# Altium PCB AX7103-2021-0629.PcbDoc (part 1 of 7) (continued)
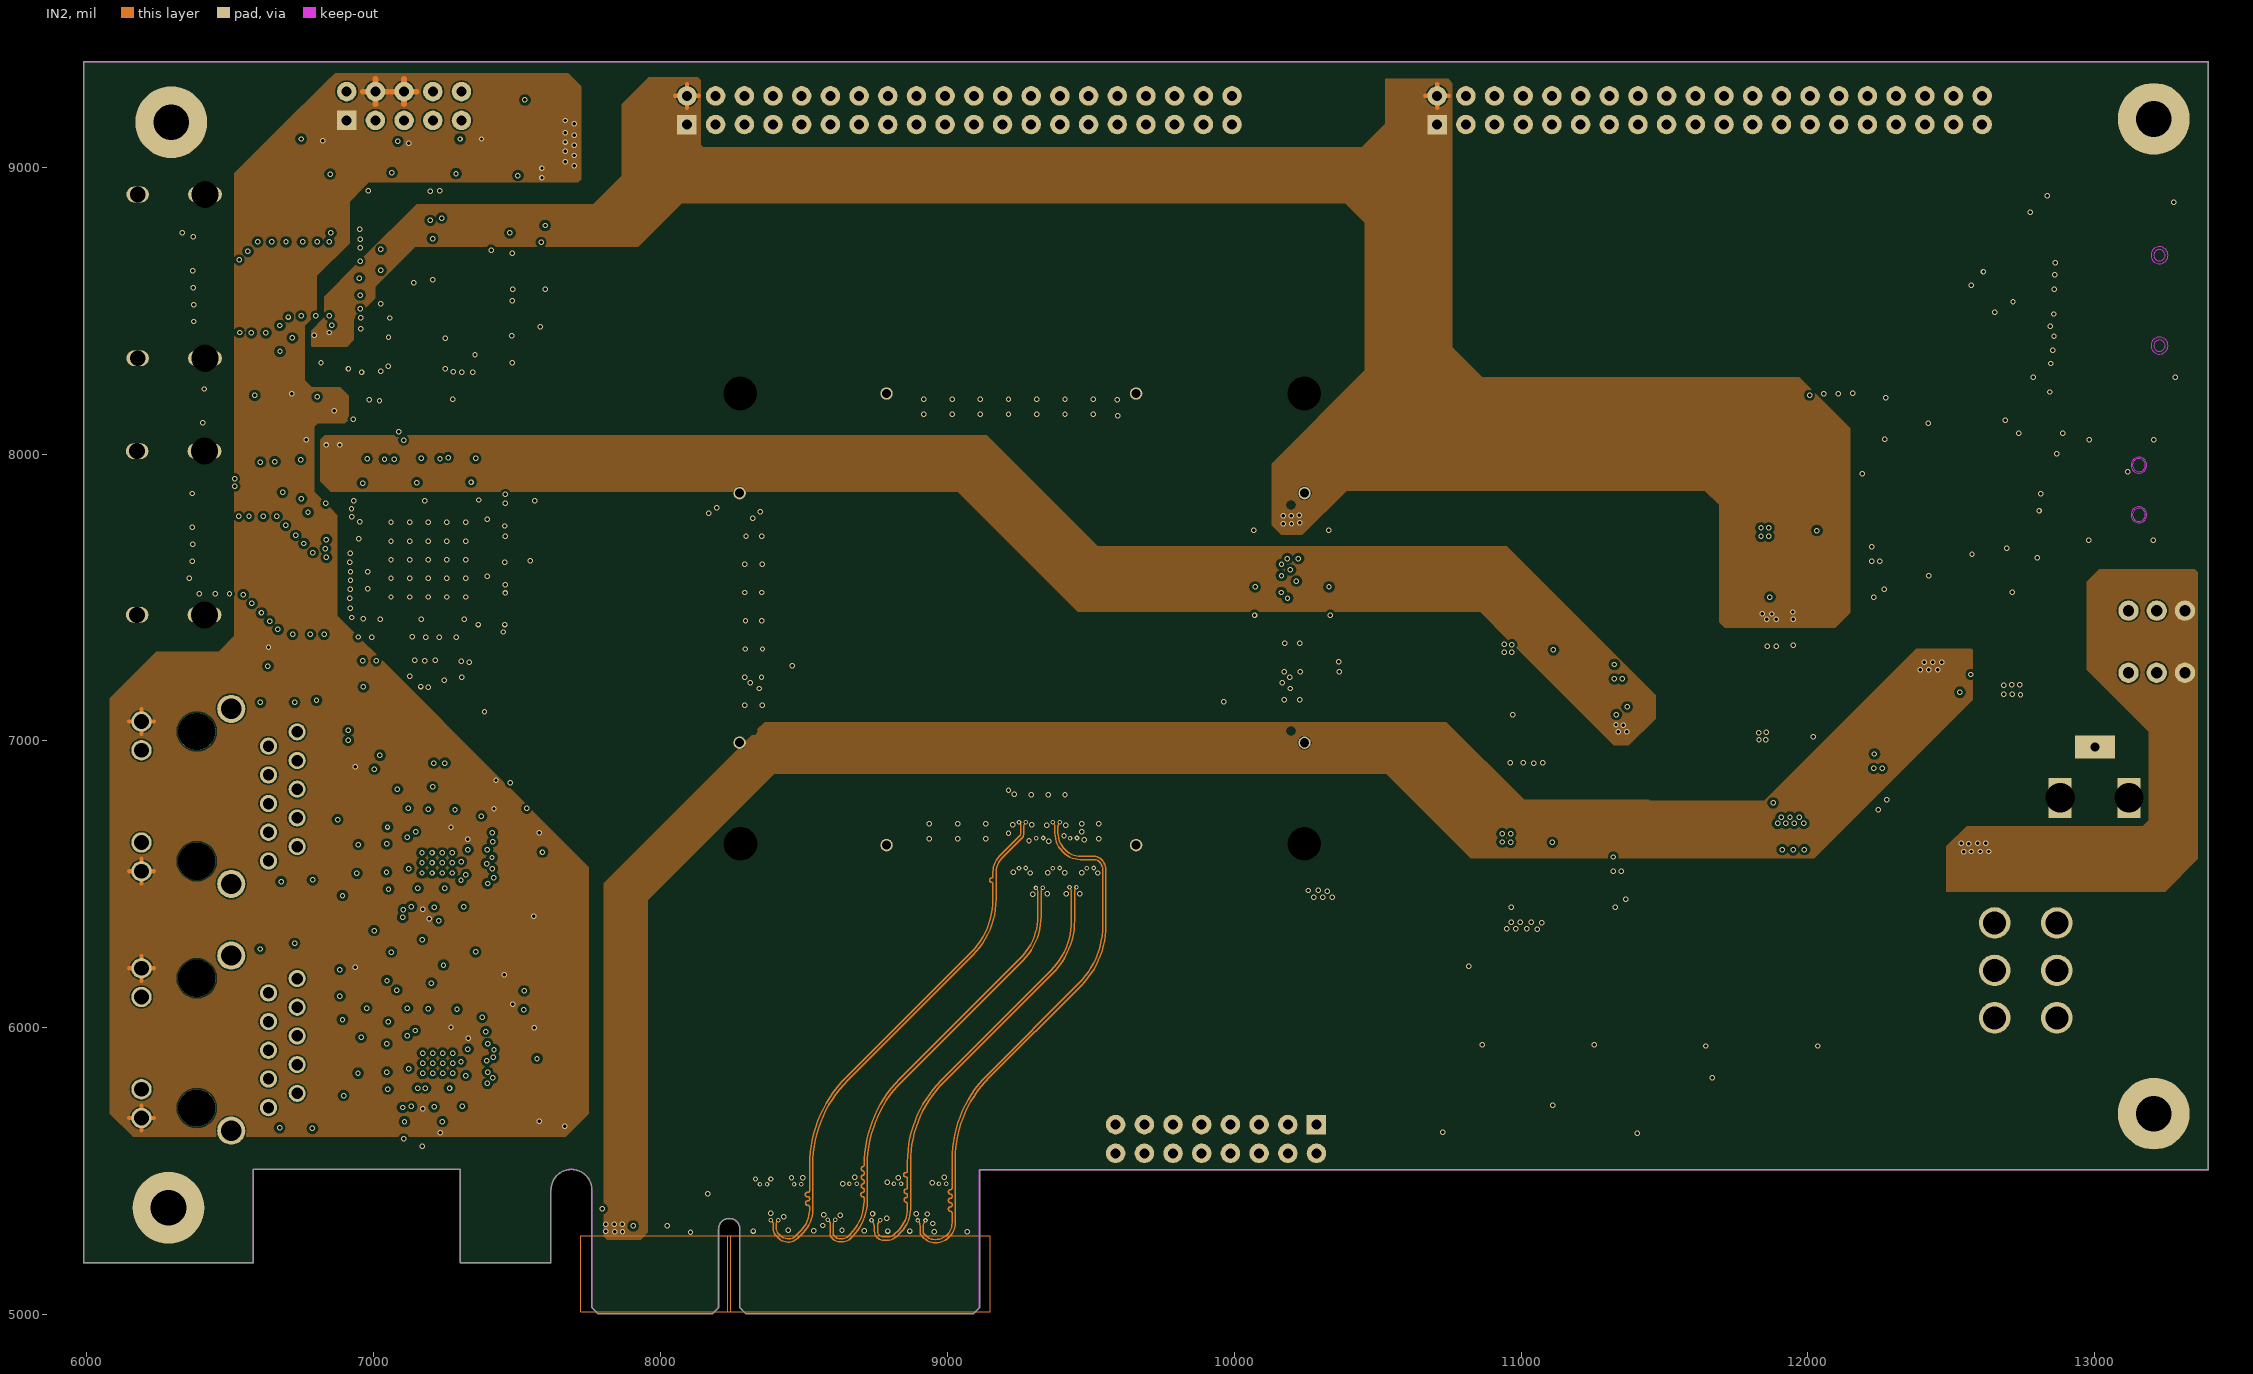
[diagram p4: IN2]
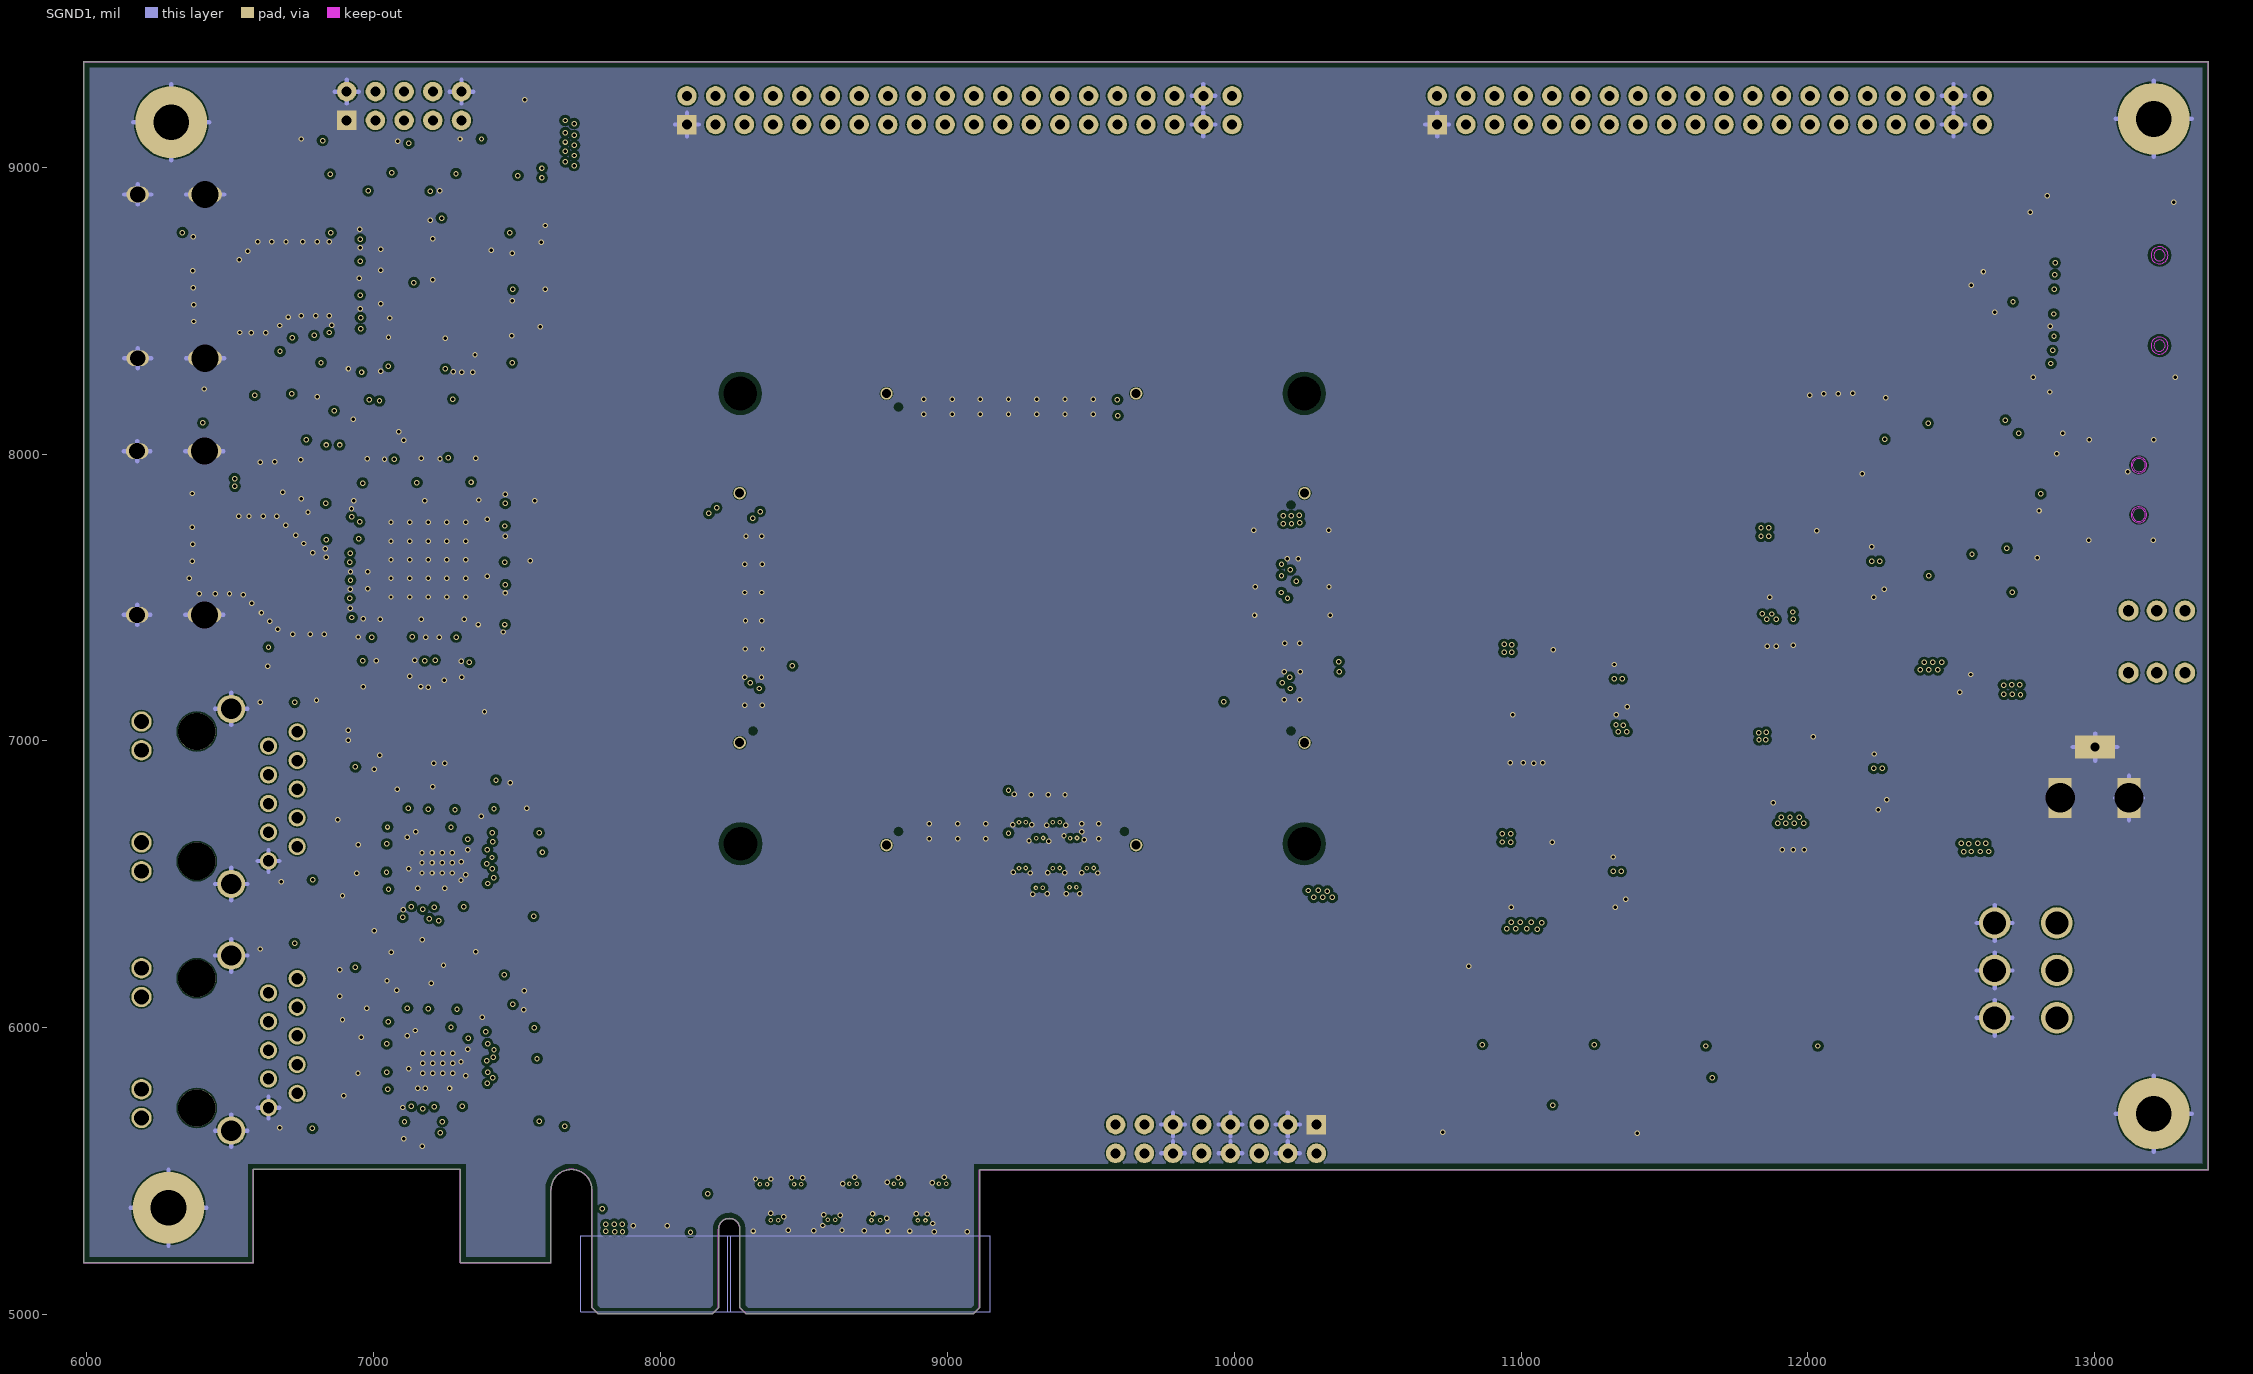
[diagram p5: SGND1]

## Layer stack, top to bottom
Top Solder: solder mask 0.4, Solder Resist, Dk 3.5
TOP: signal copper 1.2
Dielectric 1: core 8, FR-4, Dk 4.5
SGND: signal copper 1.2
Dielectric2: core 8, FR-4, Dk 4.5
IN1: signal copper 1.2
Dielectric3: core 8, FR-4, Dk 4.5
IN2: signal copper 1.2
Dielectric4: core 8, FR-4, Dk 4.5
SGND1: signal copper 1.2
Dielectric5: core 8, FR-4, Dk 4.5
BOTTOM: signal copper 1.2
Bottom Solder: solder mask 0.4, Solder Resist, Dk 3.5

## Board outline
5989.54,5181.85 5990.04,5181.35 6581.04,5181.35 6581.54,5181.85 6581.54,5506.35 7302.54,5506.35 7302.54,5181.85 7303.04,5181.35 7618.04,5181.35 7618.54,5181.85 7618.54,5434.85 cw(c7690.04,5434.85) 7690.04,5506.35 cw(c7690.04,5434.85) 7761.54,5434.85 7761.54,5024.85 7761.69,5024.5 7781.69,5004.5 7782.04,5004.35 8182.54,5004.35 8182.89,5004.5 8202.89,5024.5 8203.04,5024.85 8203.04,5298.85 cw(c8239.54,5298.85) 8239.54,5335.35 8240.54,5335.35 cw(c8240.54,5298.85) 8277.04,5298.85 8277.04,5024.85 8277.19,5024.5 8297.19,5004.5 8297.54,5004.35 9092.04,5004.35 9092.39,5004.5 9112.39,5024.5 9112.54,5024.85 9112.54,5505.35 13395.55,5505.35 13396.05,5505.85 13396.05,9367.67 13395.55,9368.17 5990.04,9368.17 5989.54,9367.67

## Design rules (kind name [scope] priority, off if disabled: settings)
Clearance [All] p1: gap=10
PlaneConnect [All] p1: planeconnectstyle=Direct reliefexpansion=20 reliefentries=4 reliefconductorwidth=10 reliefairgap=10
PolygonConnect [All] p1: connectstyle=Direct reliefconductorwidth=10 reliefentries=4 polygonreliefangle="90 Angle" airgapwidth=10
RoutingVias [All] p1: holewidth=28 width=50 viastyle="Through Hole" minholewidth=28 minwidth=50 maxholewidth=28 maxwidth=50
SolderMaskExpansion [All] p1: expansion=4
Width [All] p1: maxlimit=10 minlimit=10 preferedwidth=10 impedancedriven=TRUE minimp=140.230000 maximp=140.230000 favimp=140.230000
29 further rules are at their usual default settings.

## Components (designator, comment, footprint, x,y, rotation, side; value= is the part's Value field where it differs from the comment)
C61 "CAP NP_C0805_10UF" C0805#1 7565.04,8846.85 r180 bottom
C62 "C_1_C0402_0.1UF" C0402#1 7277.8,8238.46 r270 bottom
C63 "C_1_C0402_0.1UF" C0402#1 7197.8,8864.46 r90 bottom
C64 "C_1_C0402_0.1UF" C0402#1 7025.04,8241.85 r270 bottom
C65 "C_1_C0402_0.1UF" C0402#1 7052.3,8358.96 r270 bottom
C66 "C_1_C0402_0.1UF" C0402#1 7237.8,8769.46 r90 bottom
C67 "C_1_C0402_0.1UF" C0402#1 7250.8,8356.96 r270 bottom
C68 "C_1_C0402_0.1UF" C0402#1 7427.8,8739.46 r0 bottom
C69 "C_1_C0402_0.1UF" C0402#1 7427.8,8774.46 r0 bottom
C70 "C_1_C0402_0.1UF" C0402#1 7428.3,8345.96 r0 bottom
C71 "C_1_C0402_0.1UF" C0402#1 7007.8,8434.46 r0 bottom
C72 "C_1_C0402_0.1UF" C0402#1 7007.8,8749.46 r180 bottom
C73 "C_1_C0402_0.1UF" C0402#1 7007.8,8474.46 r180 bottom
C74 "C_1_C0402_0.1UF" C0402#1 7007.8,8554.46 r180 bottom
C75 "C_1_C0402_0.1UF" C0402#1 7007.8,8674.46 r180 bottom
C76 "CAP NP_C0805_10UF" C0805#1 7174.04,8655.85 r180 bottom
C77 "C_1_C0402_0.1UF" C0402#1 7532.8,8574.46 r180 bottom
C78 "CAP NP_C0402_0.1UF" C0402#2 12157.04,7949.85 r270 top
C79 "CAP NP_C0805_10UF" C0805#1 12645.04,8585.85 r0 bottom
C80 "CAP NP_C0402_0.1UF" C0402#1 12670.04,8530.85 r0 bottom
C81 "CAP NP_C0402_1000PF" C0402#2 10290.04,5932.85 r180 top
C82 "CAP NP_C0402_1000PF" C0402#2 9850.04,5930.85 r180 top
C84 "CAP NP_C0402_1000PF" C0402#2 10070.04,5930.85 r0 top
C109 "CAP NP_C0402_0.1UF" C0402#1 8461.04,5396.85 r270 bottom
C110 "CAP NP_C0402_0.1UF" C0402#1 8494.04,5396.85 r270 bottom
C111 "CAP NP_C0402_0.1UF" C0402#1 8344.04,5396.85 r270 bottom
C112 "CAP NP_C0402_0.1UF" C0402#1 8377.04,5396.85 r270 bottom
C113 "CAP NP_C0402_0.1UF" C0402#1 8842.04,5398.85 r270 bottom
C114 "CAP NP_C0402_0.1UF" C0402#1 8809.04,5398.85 r270 bottom
C115 "CAP NP_C0402_0.1UF" C0402#1 8687.04,5398.85 r270 bottom
C116 "CAP NP_C0402_0.1UF" C0402#1 8654.04,5398.85 r270 bottom
C129 "CAP NP_C0603_1UF" C0603 12804.25,8002.18 r180 bottom
C130 "CAP NP_C0805_10UF" C0805#1 12809.25,8074.18 r180 bottom
C133 "CAP NP_C0805_10UF/25V" C0805#2 12607.04,7171.85 r180 top
C134 "C_1_C0402_0.1UF/25V" C0402#2 12622.04,7231.85 r180 top
C135 "CAP NP_C0402_0.01UF" C0402#2 11711.6,7596.62 r270 top
C136 "CAP NP_C0805_10UF/25V" C0805#2 11936.6,7731.62 r0 top
C137 "CAP NP_C0402_0.1UF" C0402#2 12131.6,7676.62 r0 top
C138 "CAP NP_C0805_10UF" C0805#2 11716.6,7376.62 r270 top
C139 "CAP NP_C0805_10UF" C0805#2 11791.6,7376.62 r270 top
C140 "C_1_C0402_0.1UF" C0402#2 11976.6,7381.62 r270 top
C141 "C_1_C0402_0.1UF" C0402#2 11936.6,7381.62 r270 top
C142 "C_1_C0402_0.1UF" C0402#2 11896.6,7381.62 r270 top
C143 "C_1_C0402_0.1UF" C0402#2 11856.6,7381.62 r270 top
C144 "CAP NP_C0402_33NF" C0402#2 12131.6,7556.62 r0 top
C145 "CAP NP_C0402_0.01UF" C0402#2 11709.6,6874.62 r270 top
C146 "CAP NP_C0805_10UF/25V" C0805#2 11939.6,7012.62 r0 top
C147 "CAP NP_C0805_10UF" C0805#2 11734.6,6669.62 r270 top
C148 "CAP NP_C0805_10UF" C0805#2 11809.6,6669.62 r270 top
C149 "C_1_C0402_0.1UF" C0402#2 11989.6,6664.62 r270 top
C150 "C_1_C0402_0.1UF" C0402#2 11949.6,6664.62 r270 top
C151 "C_1_C0402_0.1UF" C0402#2 11909.6,6664.62 r270 top
C152 "C_1_C0402_0.1UF" C0402#2 11869.6,6664.62 r270 top
C153 "CAP NP_C0402_0.1UF" C0402#2 12139.6,6954.62 r0 top
C154 "CAP NP_C0402_33NF" C0402#2 12139.6,6834.62 r0 top
C155 "CAP NP_C0402_0.1UF" C0402#1 8999.04,5398.85 r270 bottom
C156 "CAP NP_C0402_0.1UF" C0402#1 8966.04,5398.85 r270 bottom
C157 "C_1_C0402_0.1UF" C0402#1 6730.8,7875.96 r180 bottom
C158 "C_1_C0402_0.1UF" C0402#1 6962.3,7615.96 r180 bottom
C159 "C_1_C0402_0.1UF" C0402#1 6961.8,7498.96 r180 bottom
C160 "C_1_C0402_0.1UF" C0402#1 6961.8,7459.46 r180 bottom
C161 "C_1_C0402_0.1UF" C0402#1 6961.3,7654.96 r180 bottom
C162 "C_1_C0402_0.1UF" C0402#1 6963.54,7559.35 r180 bottom
C163 "C_1_C0402_0.1UF" C0402#1 6994.04,7405.85 r270 bottom
C164 "C_1_C0402_0.1UF" C0402#1 7411.54,7404.85 r0 bottom
C165 "C_1_C0402_0.1UF" C0402#1 7149.04,7856.85 r90 bottom
C166 "C_1_C0402_0.1UF" C0402#1 7286.54,7406.85 r270 bottom
C167 "C_1_C0402_0.1UF" C0402#1 7412.54,7746.35 r0 bottom
C168 "C_1_C0402_0.1UF" C0402#1 7415.04,7544.35 r0 bottom
C169 "C_1_C0402_0.1UF" C0402#1 7337.04,7858.35 r90 bottom
C170 "C_1_C0402_0.1UF" C0402#1 6962.04,7852.85 r90 bottom
C171 "C_1_C0402_0.1UF" C0402#1 7135.54,7406.85 r270 bottom
C172 "C_1_C0402_0.1UF" C0402#1 7504.54,7828.35 r180 bottom
C173 "C_1_C0402_0.1UF" C0402#1 7164.04,7234.35 r90 bottom
C174 "C_1_C0402_0.1UF" C0402#1 7067.54,8031.35 r270 bottom
C175 "C_1_C0402_0.1UF" C0402#1 6964.54,7235.85 r90 bottom
C176 "C_1_C0402_0.1UF" C0402#1 7259.54,8030.85 r270 bottom
C177 "C_1_C0402_0.1UF" C0402#1 7205.04,7233.35 r90 bottom
C178 "C_1_C0402_0.1UF" C0402#1 7502.04,7624.35 r180 bottom
C179 "C_1_C0402_0.1UF" C0402#1 6790.04,7825.85 r0 bottom
C180 "CAP NP_C0402_18PF" C0402#2 7290.04,7249.85 r0 top
C181 "CAP NP_C0402_18PF" C0402#2 7215.54,7249.35 r180 top
C182 "CAP NP_C0805_10UF" C0805#1 6681.04,7293.85 r90 bottom
C183 "CAP NP_C0805_10UF" C0805#1 6742.04,7938.35 r180 bottom
C184 "CAP NP_C0805_10UF" C0805#1 6958.54,8077.85 r180 bottom
C185 "CAP NP_C0805_10UF" C0805#1 6802.04,7229.35 r90 bottom
C186 "CAP NP_C0402_18PF" C0402#2 7185.04,6799.85 r0 top
C187 "CAP NP_C0402_18PF" C0402#2 7110.04,6799.85 r180 top
C188 "CAP_3_C0402_0.1UF" C0402#1 6705.04,6491.85 r270 bottom
C189 "CAP_3_C0402_0.1UF" C0402#1 6640.04,7116.85 r270 bottom
C190 "CAP_3_C0402_0.1UF" C0402#1 6865.04,7001.85 r180 bottom
C191 "CAP_3_C0402_0.1UF" C0402#1 6865.04,7036.85 r180 bottom
C192 "CAP NP_C0805_22UF" C0805#1 7190.04,6687.85 r90 bottom
C193 "CAP NP_C0402_0.1UF" C0402#1 7268.04,6654.85 r90 bottom
C194 "CAP NP_C0402_0.1UF" C0402#1 7303.04,6638.85 r90 bottom
C195 "CAP NP_C0402_0.1UF" C0402#1 7170.04,6363.85 r90 bottom
C196 "CAP_3_C0402_0.1UF" C0402#1 6705.04,5631.85 r270 bottom
C197 "CAP NP_C0805_22UF" C0805#1 6970.04,6863.85 r180 bottom
C198 "CAP NP_C0805_22UF" C0805#1 6970.04,6723.85 r0 bottom
C199 "CAP_3_C0402_0.1UF" C0402#1 6865.04,6141.85 r180 bottom
C200 "CAP_3_C0402_0.1UF" C0402#1 6640.04,6256.85 r270 bottom
C201 "CAP_3_C0402_0.1UF" C0402#1 6865.04,6176.85 r180 bottom
C202 "CAP NP_C0805_22UF" C0805#1 6970.04,6166.85 r180 bottom
C203 "CAP NP_C0805_22UF" C0805#1 6970.04,6026.85 r0 bottom
C204 "CAP NP_C0805_22UF" C0805#1 7184.04,5990.85 r90 bottom
C205 "CAP NP_C0402_0.1UF" C0402#1 7170.04,5666.85 r90 bottom
C206 "CAP NP_C0402_0.1UF" C0402#1 7260.04,5956.85 r90 bottom
C207 "CAP NP_C0402_0.1UF" C0402#1 7105.04,6523.85 r180 bottom
C208 "CAP NP_C0402_0.1UF" C0402#1 7100.04,6698.85 r180 bottom
C209 "CAP NP_C0402_0.1UF" C0402#1 7105.04,5826.85 r180 bottom
C210 "CAP NP_C0805_22UF" C0805#1 7445.04,6813.85 r180 bottom
C211 "CAP NP_C0805_22UF" C0805#1 6970.04,6458.85 r0 bottom
C213 "CAP NP_C0805_22UF" C0805#1 7247.04,6837.85 r270 bottom
C214 "CAP NP_C0402_0.1UF" C0402#1 7100.04,6001.85 r180 bottom
C215 "CAP NP_C0805_22UF" C0805#1 6970.04,5761.85 r0 bottom
C216 "CAP NP_C0805_22UF" C0805#1 7248.04,6140.85 r270 bottom
C217 "CAP NP_C0402_0.1UF" C0402#1 7304.04,5945.85 r90 bottom
C218 "CAP NP_C0805_22UF" C0805#1 7446.04,6130.85 r180 bottom
C219 "CAP NP_C0402_18PF" C0402#2 7183.04,6100.85 r0 top
C220 "CAP NP_C0402_18PF" C0402#2 7108.04,6100.85 r180 top
C223 "CAP NP_C0805_10UF" C0805#2 10819.6,6966.62 r270 top
C224 "CAP NP_C0805_10UF" C0805#2 10894.6,6966.62 r270 top
C225 "CAP NP_C0805_10UF/25V" C0805#2 11039.6,7321.62 r0 top
C226 "C_1_C0402_0.1UF" C0402#2 10999.6,6971.62 r270 top
C227 "C_1_C0402_0.1UF" C0402#2 10959.6,6971.62 r270 top
C228 "C_1_C0402_0.1UF" C0402#2 11039.6,6971.62 r270 top
C229 "C_1_C0402_0.1UF" C0402#2 11079.6,6971.62 r270 top
C230 "CAP NP_C0402_0.01UF" C0402#2 10814.6,7186.62 r270 top
C231 "CAP NP_C0402_0.1UF" C0402#2 11234.6,7266.62 r0 top
C232 "CAP NP_C0402_33NF" C0402#2 11234.6,7146.62 r0 top
C233 "CAP NP_C0805_10UF" C0805#2 10815.6,6295.62 r270 top
C234 "CAP NP_C0805_10UF" C0805#2 10890.6,6295.62 r270 top
C235 "CAP NP_C0805_10UF/25V" C0805#2 11035.6,6650.62 r0 top
C236 "C_1_C0402_0.1UF" C0402#2 11035.6,6300.62 r270 top
C237 "C_1_C0402_0.1UF" C0402#2 11075.6,6300.62 r270 top
C238 "C_1_C0402_0.1UF" C0402#2 10995.6,6300.62 r270 top
C239 "C_1_C0402_0.1UF" C0402#2 10955.6,6300.62 r270 top
C240 "CAP NP_C0402_0.1UF" C0402#2 11230.6,6595.62 r0 top
C241 "CAP NP_C0402_0.01UF" C0402#2 10810.6,6515.62 r270 top
C242 "CAP NP_C0402_0.1UF" C0402#1 7215.04,6468.85 r270 bottom
C243 "CAP NP_C0402_33NF" C0402#2 11230.6,6475.62 r0 top
C244 "CAP NP_C0402_0.1UF" C0402#1 7125.04,5771.85 r270 bottom
C245 "CAP NP_C0402_0.1UF" C0402#1 6995.04,6538.85 r0 bottom
C246 "CAP NP_C0402_0.1UF" C0402#1 7125.04,6468.85 r270 bottom
C247 "CAP NP_C0402_0.1UF" C0402#1 7295.04,6468.85 r270 bottom
C248 "CAP NP_C0402_0.1UF" C0402#1 7328.04,6737.85 r180 bottom
C249 "CAP NP_C0402_0.1UF" C0402#1 7350.04,6578.85 r0 bottom
C250 "CAP NP_C0402_0.1UF" C0402#1 7350.04,6503.85 r0 bottom
C251 "CAP NP_C0402_0.1UF" C0402#1 6995.04,6638.85 r0 bottom
C252 "CAP NP_C0402_0.01UF" C0402#1 7145.04,6813.85 r270 bottom
C253 "CAP NP_C0402_0.1UF" C0402#1 7180.04,6813.85 r270 bottom
C259 "CAP NP_C0402_0.1UF" C0402#1 6995.04,5941.85 r0 bottom
C260 "CAP NP_C0402_0.1UF" C0402#1 6995.04,5841.85 r0 bottom
C261 "CAP NP_C0402_0.1UF" C0402#1 7180.04,6116.85 r270 bottom
C262 "CAP NP_C0402_0.01UF" C0402#1 7145.04,6116.85 r270 bottom
C263 "CAP NP_C0402_0.1UF" C0402#1 7215.04,5771.85 r270 bottom
C264 "CAP NP_C0402_0.1UF" C0402#1 7295.04,5771.85 r270 bottom
C265 "CAP NP_C0402_0.1UF" C0402#1 7350.04,5881.85 r0 bottom
C266 "CAP NP_C0402_0.1UF" C0402#1 7350.04,5806.85 r0 bottom
C267 "CAP NP_C0402_0.1UF" C0402#1 7332.04,6036.85 r180 bottom
CN1 "AJ243_0_CN1-DCJACK_AJ243-3-3C" CN1-DCJACK 13114.25,6837.17 r90 top
CON1 "CON40X2_0_0_AXK680337YG_AXK6803" AXK680337YG 10198.31,7428.95 r270 top
CON2 "CON40X2_0_1_AXK680337YG_AXK6803" AXK680337YG 9223.4,8163.99 r0 top
CON3 "CON40X2_0_2_AXK680337YG_AXK6803" AXK680337YG 8323.4,7428.99 r90 top
CON4 "CON40X2_0_3_AXK680337YG_AXK6803" AXK680337YG 9223.41,6684.05 r180 top
D1 "SBL1645CT/TO_0_SOT23_BAT54S" SOT23 6785.04,9015.85 r180 bottom
D2 "SBL1645CT/TO_0_SOT23_BAT54S" SOT23 7122.04,9015.85 r180 bottom
D3 "SBL1645CT/TO_0_SOT23_BAT54S" SOT23 7339.04,9012.85 r180 bottom
D4 "SBL1645CT/TO_0_SOT23_BAT54S" SOT23 7565.04,9147.85 r180 bottom
D23 "BZX84C33/SOT_0_DO-214AC_B340A" DO-214AC 12634.04,6752.85 r180 top
D24 "BZX84C33/SOT_0_DO-214AC_B340A" DO-214AC 12641.04,6561.85 r180 top
D25 "BZX84C33/SOT_0_DO-214AC_B340A" DO-214AC 12565.04,7327.85 r0 top
F1 "FUSE_FUSE_1812_2A" FUSE_1812 12872.04,7226.85 r180 top
F2 "FUSE/SM_L0603_SMD0603P014TF-33" L0603 6770.8,8447.46 r0 bottom
J3 "GE_RJ45_2_GE_RJ45_HR911130A" GE_RJ45 6371.53,6806.89 r180 top
J4 "GE_RJ45_2_GE_RJ45_HR911130A" GE_RJ45 6371.53,5946.89 r180 top
J7 "MICRO SD_2_MICRO_SD_MICRO SD" MICRO_SD 13069.15,8569.65 r90 top
J9 "HEADER 5X2_JTAG-10_HEADER 5X2" JTAG-10 7106.68,9213.48 r0 top
J10 "USB_B_3_MINIUSBB_MINI_USB" MINIUSBB 13147.06,7874.98 r180 top
J11 "HEADER 20X2/M_IDC-40J_HEADER 20" IDC-40J 11657.7,9198.82 r0 top
J12 "HDMI CONNECTOR_0_HDMI_A_TYPE_HD" HDMI_A_TYPE 6248.36,8619.71 r0 top
J13 "HEADER 20X2/M_IDC-40J_HEADER 20" IDC-40J 9042.7,9198.82 r0 top
J14 "39-30-1060_2_CON_MOL_5569_6P_39" CON_MOL_5569_6P 12954.3,6244.85 r0 top
J15 "HDMI CONNECTOR_0_HDMI_A_TYPE__1" HDMI_A_TYPE 6246.38,7724.97 r0 top
J18 "CON16A_IDC16-DTM1-A_CON16A" IDC16-DTM1-A 9930.04,5612.85 r180 top
KEY1 "BUTTON_0_KEY735SO_BUTTON" KEY735SO 10767.29,5634.77 r180 top
KEY2 "BUTTON_0_KEY735SO_BUTTON" KEY735SO 11430.77,5632.45 r180 top
L3 "INDUCTOR_L0603_120OHM@100MHZ" L0603 6975.04,6793.85 r180 bottom
L4 "INDUCTOR_L0603_120OHM@100MHZ" L0603 7030.04,6388.85 r0 bottom
L5 "INDUCTOR_L0603_120OHM@100MHZ" L0603 7320.04,6828.85 r270 bottom
L6 "INDUCTOR_L0603_120OHM@100MHZ" L0603 6975.04,6096.85 r180 bottom
L7 "INDUCTOR_L0603_BEAD" L0603 7559.8,8914.46 r0 bottom
L8 "INDUCTOR_L0603_BEAD" L0603 7142.8,8759.46 r90 bottom
L9 "INDUCTOR_L0603_120OHM@100MHZ" L0603 7030.04,5691.85 r0 bottom
L10 "INDUCTOR_L0603_120OHM@100MHZ" L0603 7320.04,6131.85 r270 bottom
L13 "INDUCTOR_SMTDR75-100M_10UH" SMTDR75-100M 11511.6,7506.62 r270 top
L14 "INDUCTOR_SMTDR75-100M_10UH" SMTDR75-100M 11519.6,6789.62 r270 top
L15 "INDUCTOR_L0603_BEAD" L0603 7090.04,8759.85 r90 bottom
L16 "INDUCTOR_0_L0603_BEAD" L0603 6835.04,8071.85 r180 bottom
L17 "INDUCTOR_0_L0603_BEAD" L0603 6775.04,7326.85 r180 bottom
L18 "INDUCTOR_0_L0603_BEAD" L0603 6738.54,8012.85 r0 bottom
L19 "INDUCTOR_SMTDR75-100M_10UH" SMTDR75-100M 10614.6,7096.62 r270 top
L20 "INDUCTOR_SMTDR75-100M_10UH" SMTDR75-100M 10610.6,6425.62 r270 top
LED1 "LN211WP_LEDSO_RED" LEDSO 10813.04,5991.85 r0 top
LED2 "LN211WP_LEDSO_RED" LEDSO 11203.04,5990.85 r0 top
LED3 "LN211WP_LEDSO_RED" LEDSO 12471.31,8155.33 r180 top
LED4 "LN211WP_LEDSO_RED" LEDSO 12474.31,7522.73 r180 top
LED5 "LN211WP_LEDSO_RED" LEDSO 12820.38,7518.44 r180 top
LED6 "LN211WP_LEDSO_RED" LEDSO 11592.04,5988.85 r0 top
LED7 "LN211WP_LEDSO_RED" LEDSO 11982.04,5988.85 r0 top
P1 "PCIEX4_PCIE_4LANE_EDGE_PCIEX4" PCIE_4LANE_EDGE 8436.88,5249.59 r0 top
R51 "RESISTOR_R0603_0R" R0603#1 12231.04,8165.85 r90 top